# Altium PCB PowerBoard.PcbDoc (part 1 of 4) (continued)
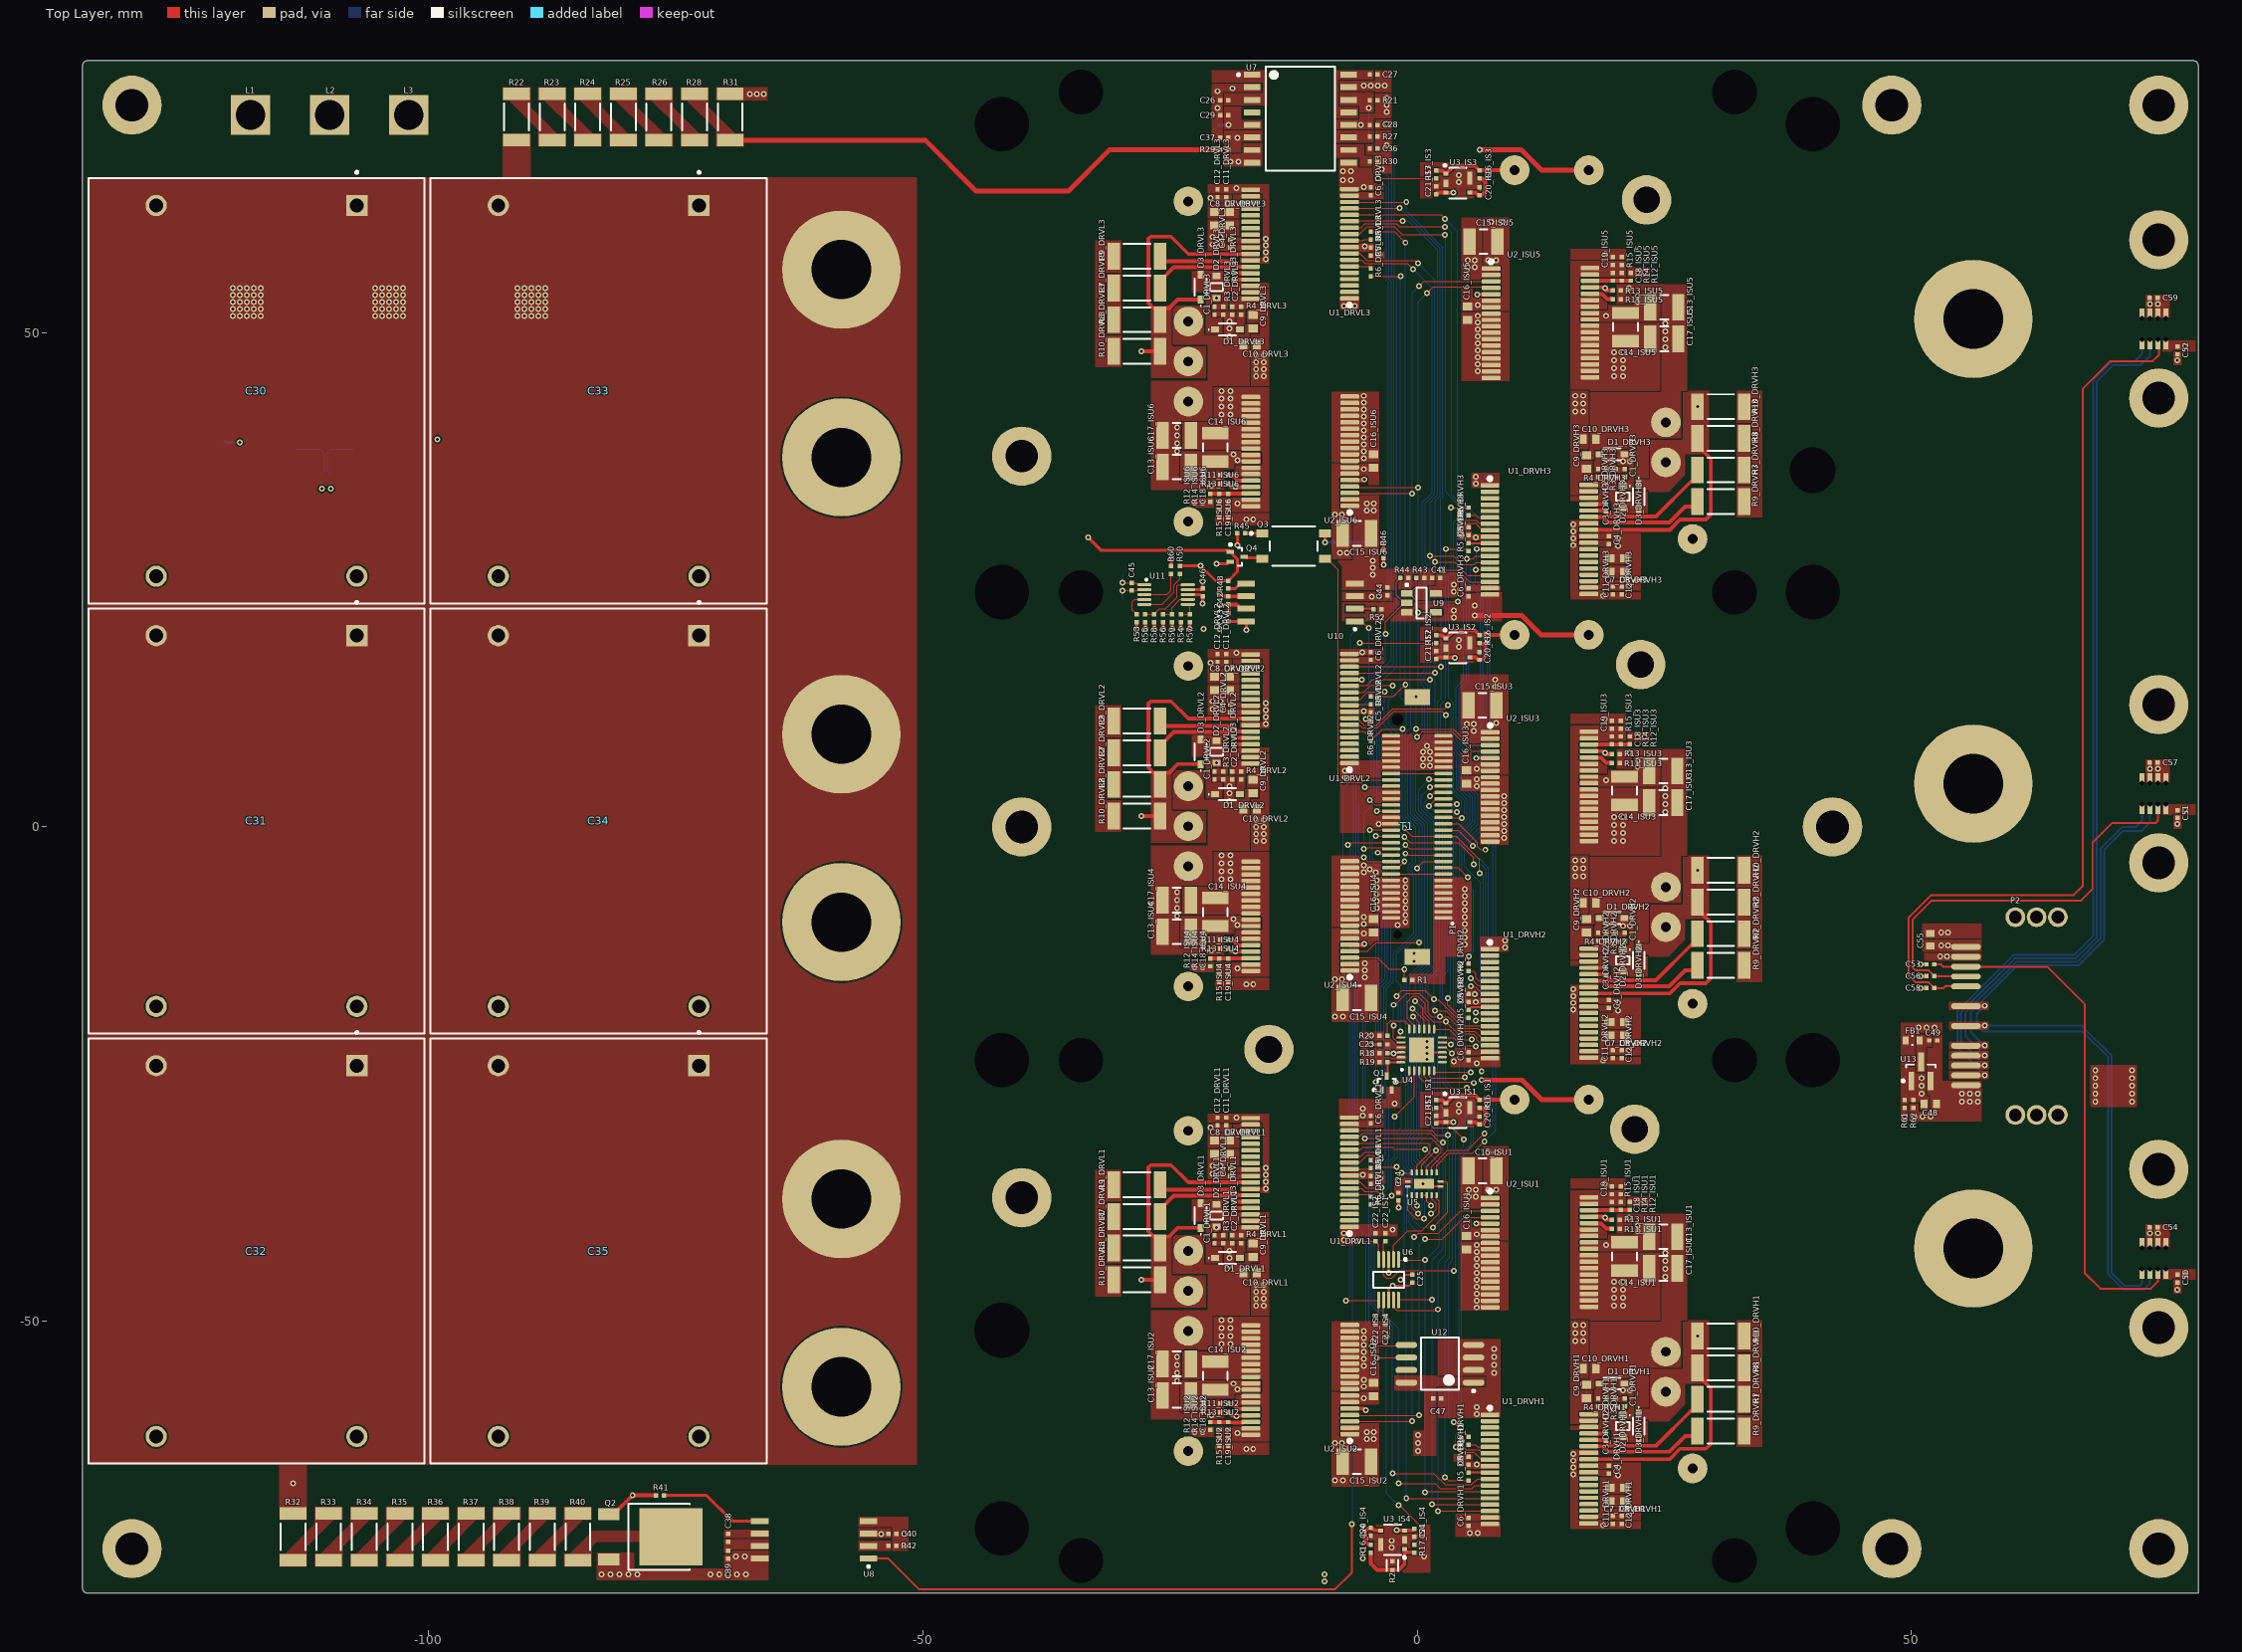
[diagram p0: Top Layer view]
## Components (designator, comment, footprint, x,y, rotation, side; value= is the part's Value field where it differs from the comment) (continued)
C52 "100nF 10% 0402 50V" 0402N 76.9,48.2 r90 top
C53 "10nF 10% 0402 50V" 0402N 51.9,-13.9 r0 top
C54 "220nF 10% 0402 50V" 0402N 74.5,-40.5 r0 top
C55 "4.7uF 10% 0603 10V" 0603L 51.9,-11.4 r270 top
C56 "10nF 10% 0402 50V" 0402N 51.9,-15.1 r0 top
C57 "220nF 10% 0402 50V" 0402N 74.5,6.5 r0 top
C58 "10nF 10% 0402 50V" 0402N 51.9,-16.3 r0 top
C59 "220nF 10% 0402 50V" 0402N 74.5,53.5 r0 top
CENA "Testpoint" Testpoint-Footprint-1 4.1,22.8 r180 bottom
CPG "Testpoint" Testpoint-Footprint-1 -1.3,-14.4 r180 bottom
D1_DRVH1 "BAS3010A03WE6327HTSA1" INF-SOD323_V 19.7,-56.3 r270 top (schematic designator D1)
D1_DRVH2 "BAS3010A03WE6327HTSA1" INF-SOD323_V 19.7,-9.2 r270 top (schematic designator D1)
D1_DRVH3 "BAS3010A03WE6327HTSA1" INF-SOD323_V 19.7,37.7 r270 top (schematic designator D1)
D1_DRVL1 "BAS3010A03WE6327HTSA1" INF-SOD323_V -19.2,-43.6 r90 top (schematic designator D1)
D1_DRVL2 "BAS3010A03WE6327HTSA1" INF-SOD323_V -19.2,3.3 r90 top (schematic designator D1)
D1_DRVL3 "BAS3010A03WE6327HTSA1" INF-SOD323_V -19.2,50.3 r90 top (schematic designator D1)
D2_DRVH1 "SZMM3Z6V2ST1G" ONSC-SOD-323-2-477-02_V 20.8,-60.6 r270 top (schematic designator D2)
D2_DRVH2 "SZMM3Z6V2ST1G" ONSC-SOD-323-2-477-02_V 20.8,-13.5 r270 top (schematic designator D2)
D2_DRVH3 "SZMM3Z6V2ST1G" ONSC-SOD-323-2-477-02_V 20.8,33.4 r270 top (schematic designator D2)
D2_DRVL1 "SZMM3Z6V2ST1G" ONSC-SOD-323-2-477-02_V -20.3,-39.3 r90 top (schematic designator D2)
D2_DRVL2 "SZMM3Z6V2ST1G" ONSC-SOD-323-2-477-02_V -20.3,7.6 r90 top (schematic designator D2)
D2_DRVL3 "SZMM3Z6V2ST1G" ONSC-SOD-323-2-477-02_V -20.3,54.6 r90 top (schematic designator D2)
D3_DRVH1 "BAS3010A03WE6327HTSA1" INF-SOD323_V 22.4,-60.6 r0 top (schematic designator D3)
D3_DRVH2 "BAS3010A03WE6327HTSA1" INF-SOD323_V 22.4,-13.5 r0 top (schematic designator D3)
D3_DRVH3 "BAS3010A03WE6327HTSA1" INF-SOD323_V 22.4,33.4 r0 top (schematic designator D3)
D3_DRVL1 "BAS3010A03WE6327HTSA1" INF-SOD323_V -21.9,-39.3 r180 top (schematic designator D3)
D3_DRVL2 "BAS3010A03WE6327HTSA1" INF-SOD323_V -21.9,7.6 r180 top (schematic designator D3)
D3_DRVL3 "BAS3010A03WE6327HTSA1" INF-SOD323_V -21.9,54.6 r180 top (schematic designator D3)
D4 "FFSD10120A" FP-369AS-MFG -118.4,50.8 r180 bottom
D5 "FFSD10120A" FP-369AS-MFG -104,50.8 r180 bottom
D6 "FFSD10120A" FP-369AS-MFG -89.6,50.8 r180 bottom
D7 "FFSD10120A" FP-369AS-MFG -125.6,50.8 r180 bottom
D8 "FFSD10120A" FP-369AS-MFG -111.2,50.8 r180 bottom
D9 "FFSD10120A" FP-369AS-MFG -96.8,50.813 r180 bottom
DCN "Testpoint" Testpoint-Footprint-1 -68,-73.8 r180 bottom
DCP "Testpoint" Testpoint-Footprint-1 -113.7,-66.4 r180 bottom
FB1 "MMZ1608B221CTDH5" FP-MMZ1608-0_6-MFG 50.1,-21.6 r0 top
FBGT "Testpoint" Testpoint-Footprint-1 -79.36,-67.6 r180 bottom
FBON "Testpoint" Testpoint-Footprint-1 -6.6,-70.5 r90 bottom
GND1 "Testpoint" Testpoint-Footprint-1 6.3,68.5 r180 bottom
GND2 "Testpoint" Testpoint-Footprint-1 -5.35,35.145 r180 bottom
GND3 "Testpoint" Testpoint-Footprint-1 1.3,7.6 r180 bottom
GND4 "Testpoint" Testpoint-Footprint-1 6.5,-24.7 r180 bottom
GND5 "Testpoint" Testpoint-Footprint-1 -5.4,-51 r180 bottom
GND6 "Testpoint" Testpoint-Footprint-1 0.7,-73.8 r180 bottom
HGAT_HBU "Testpoint" Testpoint-Footprint-1 28.35,-51.5 r90 bottom (schematic designator HGAT)
HGAT_HBV "Testpoint" Testpoint-Footprint-1 28.35,-4.4 r90 bottom (schematic designator HGAT)
HGAT_HBW "Testpoint" Testpoint-Footprint-1 28.35,42.5 r90 bottom (schematic designator HGAT)
HLDO "Testpoint" Testpoint-Footprint-1 -20.1,71 r180 bottom
HVMS "Testpoint" Testpoint-Footprint-1 -18.2,69.7 r180 bottom
ICM_ISU1 "Testpoint" Testpoint-Footprint-1 20.3,-65.6 r90 bottom (schematic designator ICM)
ICM_ISU2 "Testpoint" Testpoint-Footprint-1 -20.7,-34.3 r90 bottom (schematic designator ICM)
ICM_ISU3 "Testpoint" Testpoint-Footprint-1 20.3,-18.6 r90 bottom (schematic designator ICM)
ICM_ISU4 "Testpoint" Testpoint-Footprint-1 -20.7,12.7 r90 bottom (schematic designator ICM)
ICM_ISU5 "Testpoint" Testpoint-Footprint-1 20.3,28.4 r90 bottom (schematic designator ICM)
ICM_ISU6 "Testpoint" Testpoint-Footprint-1 -20.7,59.7 r90 bottom (schematic designator ICM)
IVD_ISU1 "Testpoint" Testpoint-Footprint-1 23,-37.9 r90 bottom (schematic designator IVD)
IVD_ISU2 "Testpoint" Testpoint-Footprint-1 -16.3,-46.3 r90 bottom (schematic designator IVD)
IVD_ISU3 "Testpoint" Testpoint-Footprint-1 23,9.1 r90 bottom (schematic designator IVD)
IVD_ISU4 "Testpoint" Testpoint-Footprint-1 -16.3,0.7 r90 bottom (schematic designator IVD)
IVD_ISU5 "Testpoint" Testpoint-Footprint-1 23,56.1 r90 bottom (schematic designator IVD)
IVD_ISU6 "Testpoint" Testpoint-Footprint-1 -16.3,47.7 r90 bottom (schematic designator IVD)
IVE_ISU1 "Testpoint" Testpoint-Footprint-1 15.8,-65.5 r90 bottom (schematic designator IVE)
IVE_ISU2 "Testpoint" Testpoint-Footprint-1 -19.8,-52.3 r90 bottom (schematic designator IVE)
IVE_ISU3 "Testpoint" Testpoint-Footprint-1 15.8,-18.5 r90 bottom (schematic designator IVE)
IVE_ISU4 "Testpoint" Testpoint-Footprint-1 -19.8,-5.3 r90 bottom (schematic designator IVE)
IVE_ISU5 "Testpoint" Testpoint-Footprint-1 15.8,28.5 r90 bottom (schematic designator IVE)
IVE_ISU6 "Testpoint" Testpoint-Footprint-1 -19.8,41.7 r90 bottom (schematic designator IVE)
L1 "Pad" Pad-Footprint-2 -118,72 r0 top
L2 "Pad" Pad-Footprint-2 -110,72 r0 top
L3 "Pad" Pad-Footprint-2 -102,72 r0 top
LGAT_HBU "Testpoint" Testpoint-Footprint-1 -27.9,-45.8 r90 bottom (schematic designator LGAT)
LGAT_HBV "Testpoint" Testpoint-Footprint-1 -27.9,1.1 r90 bottom (schematic designator LGAT)
LGAT_HBW "Testpoint" Testpoint-Footprint-1 -27.9,48.1 r90 bottom (schematic designator LGAT)
P1 "MA01R060VABBR600" MA01F060VABBR300-Footprint-1 0,0 r270 top locked
P2 "ZE05-12DP-2H" ZE05-12DP-2H-Footprint-1 57,-19.13 r90 top locked
PHS_HBU "Testpoint" Testpoint-Footprint-1 25.1,-45.5 r90 bottom (schematic designator PHS)
PHS_HBV "Testpoint" Testpoint-Footprint-1 25.1,1.5 r90 bottom (schematic designator PHS)
PHS_HBW "Testpoint" Testpoint-Footprint-1 25.1,48.5 r90 bottom (schematic designator PHS)
PUH "Testpoint" Testpoint-Footprint-1 -1.9,-66.4 r180 bottom
PUL "Testpoint" Testpoint-Footprint-1 -4,-29.3 r180 bottom
PVH "Testpoint" Testpoint-Footprint-1 5.7,-3.8 r180 bottom
PVL "Testpoint" Testpoint-Footprint-1 -2.5,14.3 r180 bottom
PWH "Testpoint" Testpoint-Footprint-1 5,27.1 r180 bottom
PWL "Testpoint" Testpoint-Footprint-1 6.9,-2.3 r180 bottom
Q1 "NX3008NBKT,115" NXP-SOT416_B_L -3.1,-25.9 r90 top
Q2 "IPD80R2K7C3AATMA1" FP-PG-TO252-3-MFG -76.7,-71.8 r270 top
Q3 "TLX9185A(GBTPL,F" FP-11-4M1S-MFG -12.5,28.4 r0 top
Q4 "NX3008NBKT,115" NXP-SOT416_B_L -18.2,27.3 r0 top
Q5 "IPD80R2K7C3AATMA1" FP-PG-TO252-3-MFG -118.3,33.9 r0 bottom
R1 "10kΩ 1% 0402" 0402N -0.9,-15.5 r180 top
R2 "ERT-J0EG103FA" FP-ERTJ0-MFG -2.5,-74.7 r90 top
R3_DRVH1 "10kΩ 1% 0402" 0402N 20.1,-58.2 r270 top (schematic designator R3)
R3_DRVH2 "10kΩ 1% 0402" 0402N 20.1,-11.1 r270 top (schematic designator R3)
R3_DRVH3 "10kΩ 1% 0402" 0402N 20.1,35.8 r270 top (schematic designator R3)
R3_DRVL1 "10kΩ 1% 0402" 0402N -19.6,-41.7 r90 top (schematic designator R3)
R3_DRVL2 "10kΩ 1% 0402" 0402N -19.6,5.2 r90 top (schematic designator R3)
R3_DRVL3 "10kΩ 1% 0402" 0402N -19.6,52.2 r90 top (schematic designator R3)
R4_DRVH1 "10kΩ 1% 0402" 0402N 18.3,-58.2 r270 top (schematic designator R4)
R4_DRVH2 "10kΩ 1% 0402" 0402N 18.3,-11.1 r270 top (schematic designator R4)
R4_DRVH3 "10kΩ 1% 0402" 0402N 18.3,35.8 r270 top (schematic designator R4)
R4_DRVL1 "10kΩ 1% 0402" 0402N -17.8,-41.7 r90 top (schematic designator R4)
R4_DRVL2 "10kΩ 1% 0402" 0402N -17.8,5.2 r90 top (schematic designator R4)
R4_DRVL3 "10kΩ 1% 0402" 0402N -17.8,52.2 r90 top (schematic designator R4)
R5_DRVH1 "0Ω 1% 0402" 0402N 5.2,-65.7 r90 top (schematic designator R5)
R5_DRVH2 "0Ω 1% 0402" 0402N 5.2,-18.9 r90 top (schematic designator R5)
R5_DRVH3 "0Ω 1% 0402" 0402N 5.2,28.3 r90 top (schematic designator R5)
R5_DRVL1 "0Ω 1% 0402" 0402N -4.7,-34.1 r270 top (schematic designator R5)
R5_DRVL2 "0Ω 1% 0402" 0402N -4.7,12.8 r270 top (schematic designator R5)
R5_DRVL3 "0Ω 1% 0402" 0402N -4.7,59.8 r270 top (schematic designator R5)
R6_DRVH1 "0Ω 1% 0402" 0402N 5.2,-62.1 r270 top (schematic designator R6)
R6_DRVH2 "0Ω 1% 0402" 0402N 5.2,-14.2 r270 top (schematic designator R6)
R6_DRVH3 "0Ω 1% 0402" 0402N 5.2,31.9 r270 top (schematic designator R6)
R6_DRVL1 "0Ω 1% 0402" 0402N -4.7,-37.8 r90 top (schematic designator R6)
R6_DRVL2 "0Ω 1% 0402" 0402N -4.7,9.1 r90 top (schematic designator R6)
R6_DRVL3 "0Ω 1% 0402" 0402N -4.7,56.1 r90 top (schematic designator R6)
R7_DRVH1 "1Ω 1% 2010" 2010N 30.7,-57.9 r0 top (schematic designator R7)
R7_DRVH2 "1Ω 1% 2010" 2010N 30.7,-10.8 r0 top (schematic designator R7)
R7_DRVH3 "1Ω 1% 2010" 2010N 30.7,36.1 r0 top (schematic designator R7)
R7_DRVL1 "1Ω 1% 2010" 2010N -28.35,-39.4 r180 top (schematic designator R7)
R7_DRVL2 "1Ω 1% 2010" 2010N -28.35,7.5 r180 top (schematic designator R7)
R7_DRVL3 "1Ω 1% 2010" 2010N -28.35,54.5 r180 top (schematic designator R7)
R8_DRVH1 "1Ω 1% 2010" 2010N 30.7,-54.7 r180 top (schematic designator R8)
R8_DRVH2 "1Ω 1% 2010" 2010N 30.7,-7.6 r180 top (schematic designator R8)
R8_DRVH3 "1Ω 1% 2010" 2010N 30.7,39.3 r180 top (schematic designator R8)
R8_DRVL1 "1Ω 1% 2010" 2010N -28.35,-42.6 r0 top (schematic designator R8)
R8_DRVL2 "1Ω 1% 2010" 2010N -28.35,4.3 r0 top (schematic designator R8)
R8_DRVL3 "1Ω 1% 2010" 2010N -28.35,51.3 r0 top (schematic designator R8)
R9_DRVH1 "1Ω 1% 2010" 2010N 30.7,-61.1 r0 top (schematic designator R9)
R9_DRVH2 "1Ω 1% 2010" 2010N 30.7,-14 r0 top (schematic designator R9)
R9_DRVH3 "1Ω 1% 2010" 2010N 30.7,32.9 r0 top (schematic designator R9)
R9_DRVL1 "1Ω 1% 2010" 2010N -28.35,-36.2 r180 top (schematic designator R9)
R9_DRVL2 "1Ω 1% 2010" 2010N -28.35,10.7 r180 top (schematic designator R9)
R9_DRVL3 "1Ω 1% 2010" 2010N -28.35,57.7 r180 top (schematic designator R9)
R10_DRVH1 "1Ω 1% 2010" 2010N 30.7,-51.5 r180 top (schematic designator R10)
R10_DRVH2 "1Ω 1% 2010" 2010N 30.7,-4.4 r180 top (schematic designator R10)
R10_DRVH3 "1Ω 1% 2010" 2010N 30.7,42.5 r180 top (schematic designator R10)
R10_DRVL1 "1Ω 1% 2010" 2010N -28.35,-45.8 r0 top (schematic designator R10)
R10_DRVL2 "1Ω 1% 2010" 2010N -28.35,1.1 r0 top (schematic designator R10)
R10_DRVL3 "1Ω 1% 2010" 2010N -28.35,48.1 r0 top (schematic designator R10)
R11_ISU1 "10kΩ 1% 0402" 0402N 20.075,-40.65 r180 top (schematic designator R11)
R11_ISU2 "10kΩ 1% 0402" 0402N -19.525,-58.3 r0 top (schematic designator R11)
R11_ISU3 "10kΩ 1% 0402" 0402N 20.075,6.45 r180 top (schematic designator R11)
R11_ISU4 "10kΩ 1% 0402" 0402N -19.525,-11.4 r0 top (schematic designator R11)
R11_ISU5 "10kΩ 1% 0402" 0402N 20.175,53.35 r180 top (schematic designator R11)
R11_ISU6 "10kΩ 1% 0402" 0402N -19.525,35.6 r0 top (schematic designator R11)
R12_ISU1 "10kΩ 1% 0402" 0402N 21.475,-38.35 r270 top (schematic designator R12)
R12_ISU2 "10kΩ 1% 0402" 0402N -20.925,-60.6 r90 top (schematic designator R12)
R12_ISU3 "10kΩ 1% 0402" 0402N 21.475,8.75 r270 top (schematic designator R12)
R12_ISU4 "10kΩ 1% 0402" 0402N -20.925,-13.7 r90 top (schematic designator R12)
R12_ISU5 "10kΩ 1% 0402" 0402N 21.575,55.65 r270 top (schematic designator R12)
R12_ISU6 "10kΩ 1% 0402" 0402N -20.925,33.3 r90 top (schematic designator R12)
R13_ISU1 "10kΩ 1% 0402" 0402N 20.075,-39.75 r180 top (schematic designator R13)
R13_ISU2 "10kΩ 1% 0402" 0402N -19.525,-59.2 r0 top (schematic designator R13)
R13_ISU3 "10kΩ 1% 0402" 0402N 20.075,7.35 r180 top (schematic designator R13)
R13_ISU4 "10kΩ 1% 0402" 0402N -19.525,-12.3 r0 top (schematic designator R13)
R13_ISU5 "10kΩ 1% 0402" 0402N 20.175,54.25 r180 top (schematic designator R13)
R13_ISU6 "10kΩ 1% 0402" 0402N -19.525,34.7 r0 top (schematic designator R13)
R14_ISU1 "10kΩ 1% 0402" 0402N 20.575,-38.35 r270 top (schematic designator R14)
R14_ISU2 "10kΩ 1% 0402" 0402N -20.025,-60.6 r90 top (schematic designator R14)
R14_ISU3 "10kΩ 1% 0402" 0402N 20.575,8.75 r270 top (schematic designator R14)
R14_ISU4 "10kΩ 1% 0402" 0402N -20.025,-13.7 r90 top (schematic designator R14)
R14_ISU5 "10kΩ 1% 0402" 0402N 20.675,55.65 r270 top (schematic designator R14)
R14_ISU6 "10kΩ 1% 0402" 0402N -20.025,33.3 r90 top (schematic designator R14)
R15_ISU1 "10kΩ 1% 0402" 0402N 20.575,-36.75 r90 top (schematic designator R15)
R15_ISU2 "10kΩ 1% 0402" 0402N -20.025,-62.2 r270 top (schematic designator R15)
R15_ISU3 "10kΩ 1% 0402" 0402N 20.575,10.35 r90 top (schematic designator R15)
R15_ISU4 "10kΩ 1% 0402" 0402N -20.025,-15.3 r270 top (schematic designator R15)
R15_ISU5 "10kΩ 1% 0402" 0402N 20.675,57.25 r90 top (schematic designator R15)
R15_ISU6 "10kΩ 1% 0402" 0402N -20.025,31.7 r270 top (schematic designator R15)
R16_IS1 "10kΩ 1% 0402" 0402N 6.3,-28 r90 top (schematic designator R16)
R16_IS2 "10kΩ 1% 0402" 0402N 6.3,19 r90 top (schematic designator R16)
R16_IS3 "10kΩ 1% 0402" 0402N 6.3,66 r90 top (schematic designator R16)
R16_IS4 "10kΩ 1% 0402" 0402N -4.7,-73 r270 top (schematic designator R16)
R17_IS1 "10kΩ 1% 0402" 0402N 1.9,-28 r270 top (schematic designator R17)
R17_IS2 "10kΩ 1% 0402" 0402N 1.9,19 r270 top (schematic designator R17)
R17_IS3 "10kΩ 1% 0402" 0402N 1.9,66 r270 top (schematic designator R17)
R17_IS4 "10kΩ 1% 0402" 0402N -0.3,-73 r90 top (schematic designator R17)
R18 "10kΩ 1% 0402" 0402N -3.4,-22.9 r180 top
R19 "10kΩ 1% 0402" 0402N -3.4,-23.8 r180 top
R20 "10kΩ 1% 0402" 0402N -3.4,-21.1 r180 top
R21 "10kΩ 1% 0402" 0402N -4.4,73.5 r0 top
R22 "1Ω 1% 2010" 2010N -91.1,71.8 r270 top
R23 "1Ω 1% 2010" 2010N -87.5,71.8 r90 top
R24 "1Ω 1% 2010" 2010N -83.9,71.8 r270 top
R25 "1Ω 1% 2010" 2010N -80.3,71.8 r90 top
R26 "1Ω 1% 2010" 2010N -76.7,71.8 r270 top
R27 "10kΩ 1% 0402" 0402N -4.4,69.8 r180 top
R28 "1Ω 1% 2010" 2010N -73.1,71.8 r90 top
R29 "10kΩ 1% 0402" 0402N -19.5,68.5 r180 top
R30 "10kΩ 1% 0402" 0402N -4.4,67.3 r180 top
R31 "1Ω 1% 2010" 2010N -69.5,71.8 r270 top
R32 "1Ω 1% 2010" 2010N -113.7,-71.8 r90 top
R33 "1Ω 1% 2010" 2010N -110.1,-71.8 r270 top
R34 "1Ω 1% 2010" 2010N -106.5,-71.8 r90 top
R35 "1Ω 1% 2010" 2010N -102.9,-71.8 r270 top
R36 "1Ω 1% 2010" 2010N -99.3,-71.8 r90 top
R37 "1Ω 1% 2010" 2010N -95.7,-71.8 r270 top
R38 "1Ω 1% 2010" 2010N -92.1,-71.8 r90 top
R39 "1Ω 1% 2010" 2010N -88.5,-71.8 r270 top
R40 "1Ω 1% 2010" 2010N -84.9,-71.8 r90 top
R41 "1kΩ 1% 0402" 0402N -76.6,-67.6 r0 top
R42 "10kΩ 1% 0402" 0402N -53.1,-72.7 r180 top
R43 "10kΩ 1% 0402" 0402N 0.3,25.2 r0 top
R44 "10kΩ 1% 0402" 0402N -1.3,25.2 r0 top
R45 "1kΩ 1% 0402" 0402N -17.8,29.7 r0 top
R46 "1kΩ 1% 0402" 0402N -3.4,27.6 r90 top
R47 "1Ω 1% 2512" 2512L -110.5,38.2 r0 bottom
R48 "10kΩ 1% 0402" 0402N -19.1,24.5 r270 top
R49 "100Ω 1% 0402" 0402N -109.9,35.3 r90 bottom
R50 "100Ω 1% 0402" 0402N -24,26 r90 top
R51 "100Ω 1% 0402" 0402N -110.8,35.3 r90 bottom
R52 "10kΩ 1% 0402" 0402N -4,22 r180 top
R53 "10kΩ 1% 0402" 0402N -28.4,21.1 r90 top
R54 "10kΩ 1% 0402" 0402N -23.9,21.1 r270 top
R55 "10kΩ 1% 0402" 0402N -27.5,21.1 r270 top
R56 "10kΩ 1% 0402" 0402N -25.7,21.1 r270 top
R57 "10kΩ 1% 0402" 0402N -23,21.1 r90 top
R58 "10kΩ 1% 0402" 0402N -26.6,21.1 r90 top
R59 "10kΩ 1% 0402" 0402N -24.8,21.1 r90 top
R60 "10kΩ 1% 0402" 0402N -24.9,26 r90 top
R61 "10kΩ 1% 0402" 0402N 49.3,-28 r90 top
R62 "10kΩ 1% 0402" 0402N 50.2,-28 r270 top
RFCN "Testpoint" Testpoint-Footprint-1 -29.8,23 r90 bottom
RFCP "Testpoint" Testpoint-Footprint-1 -29.8,25.6 r90 bottom
RFON "Testpoint" Testpoint-Footprint-1 -4.9,20.1 r90 bottom
RFRG "Testpoint" Testpoint-Footprint-1 -21.9,26.4 r90 bottom
RFVH "Testpoint" Testpoint-Footprint-1 -20,23.6 r90 bottom
RFVM "Testpoint" Testpoint-Footprint-1 -21.6,20 r90 bottom
RFVS "Testpoint" Testpoint-Footprint-1 -20,20 r90 bottom
RL1 "Testpoint" Testpoint-Footprint-1 -117.9,68.1 r90 bottom
RL2 "Testpoint" Testpoint-Footprint-1 -109.9,68.1 r90 bottom
RL3 "Testpoint" Testpoint-Footprint-1 -101.9,68.1 r90 bottom
T1 "FS05MR12A6MA1B" FS05MR12A6MA1B-Footprint-1 -42,-50.93 r90 top locked
TMPA_IS1 "Testpoint" Testpoint-Footprint-1 4.7,-31.6 r90 bottom (schematic designator TMPA)
TMPA_IS2 "Testpoint" Testpoint-Footprint-1 -5.8,18.6 r90 bottom (schematic designator TMPA)
TMPA_IS3 "Testpoint" Testpoint-Footprint-1 -4,65.6 r90 bottom (schematic designator TMPA)
TMPA_IS4 "Testpoint" Testpoint-Footprint-1 -1.9,-68.6 r90 bottom (schematic designator TMPA)
U1_DRVH1 "PUCC5871QDWJRQ1" PUCC5871QDWJRQ1-Footprint-1 12.35,-64.975 r0 top (schematic designator U1)
U1_DRVH2 "PUCC5871QDWJRQ1" PUCC5871QDWJRQ1-Footprint-1 12.35,-17.875 r0 top (schematic designator U1)
U1_DRVH3 "PUCC5871QDWJRQ1" PUCC5871QDWJRQ1-Footprint-1 12.35,29.025 r0 top (schematic designator U1)
U1_DRVL1 "PUCC5871QDWJRQ1" PUCC5871QDWJRQ1-Footprint-1 -11.85,-34.925 r180 top (schematic designator U1)
U1_DRVL2 "PUCC5871QDWJRQ1" PUCC5871QDWJRQ1-Footprint-1 -11.85,11.975 r180 top (schematic designator U1)
U1_DRVL3 "PUCC5871QDWJRQ1" PUCC5871QDWJRQ1-Footprint-1 -11.85,58.975 r180 top (schematic designator U1)
U2_ISU1 "UCC14240QDWNRQ1" UCC14240QDWNRQ1-Footprint-1 12.375,-43.05 r0 top (schematic designator U2)
U2_ISU2 "UCC14240QDWNRQ1" UCC14240QDWNRQ1-Footprint-1 -11.825,-55.9 r180 top (schematic designator U2)
U2_ISU3 "UCC14240QDWNRQ1" UCC14240QDWNRQ1-Footprint-1 12.375,4.05 r0 top (schematic designator U2)
U2_ISU4 "UCC14240QDWNRQ1" UCC14240QDWNRQ1-Footprint-1 -11.825,-9 r180 top (schematic designator U2)
U2_ISU5 "UCC14240QDWNRQ1" UCC14240QDWNRQ1-Footprint-1 12.475,50.95 r0 top (schematic designator U2)
U2_ISU6 "UCC14240QDWNRQ1" UCC14240QDWNRQ1-Footprint-1 -11.825,38 r180 top (schematic designator U2)
U3_IS1 "TLS105B0MBHTSA1" FP-PG-SCT595-5-MFG 4.1,-28.9 r0 top (schematic designator U3)
U3_IS2 "TLS105B0MBHTSA1" FP-PG-SCT595-5-MFG 4.1,18.1 r0 top (schematic designator U3)
U3_IS3 "TLS105B0MBHTSA1" FP-PG-SCT595-5-MFG 4.1,65.1 r0 top (schematic designator U3)
U3_IS4 "TLS105B0MBHTSA1" FP-PG-SCT595-5-MFG -2.5,-72.1 r180 top (schematic designator U3)
U4 "PCAL9714HN/Q900MP" PCAL9714HN_Q900MP-Footprint-1 0.45,-22.55 r90 top
U5 "SN74HCS138QBQBRQ1" SN74HCS138QBQBRQ1-Footprint-1 0.7,-36.1 r90 top
U6 "ADS1018IDGST" TI-DGS10_N -2.9,-45.8 r270 top
U7 "AMC3311QDWERQ1" FP-DWE0016A-MFG -11.825,71.635 r0 top
U8 "TPSI3052QDWZRQ1" TPSI3052QDWZRQ1-Footprint-1 -61,-72.1 r180 top
U9 "SN74LVC1G08DBVR" DBV0005A_M 0.425,22.65 r0 top
U10 "TPSI3052QDWZRQ1" TPSI3052QDWZRQ1-Footprint-1 -11.8,22.7 r180 top
U11 "INA300AQDGSRQ1" INA300AQDGSRQ1-Footprint-2 -25.4,23.5 r0 top
U12 "24LC1025-E/SM" SOIJ-SM8_N 2.3,-54.3 r180 top
U13 "AD1582BRTZ-REEL7" ADI-RT-3_M 50.94,-24.74 r90 top

## Footprints (in the part's own frame and the unit in brackets; to place one, negate y for a bottom-side part, rotate by r counter-clockwise, add the part's x,y. Pads: shape width x height; smd on the part's side, far side on the other; paste and mask are expansions set on the pad)
0402N [mm]
  rect 0.45x0.45 smd: 1(-0.4,0) 2(0.4,0)
  body extent -0.53,-0.27 0.53,0.28, height 0.4
0603L [mm]
  rect 0.7x0.85 smd: 1(-0.625,0) 2(0.625,0)
  body extent -0.87,-0.48 0.87,0.48, height 0.55
0603N [mm]
  rect 0.8x0.95 smd: 1(-0.675,0) 2(0.675,0)
  body extent -0.87,-0.48 0.87,0.48, height 0.55
1210N [mm]
  rect 1.25x2.7 smd: 1(-1.425,0) 2(1.425,0)
  silkscreen extent -0.4,-1.25 0.4,1.25, body extent -1.7,-1.35 1.7,1.35, height 0.7
2010N [mm]
  rect 1.25x2.7 smd: 1(-2.35,0) 2(2.35,0)
  silkscreen extent -1.35,-1.25 1.35,1.25, body extent -2.6,-1.35 2.6,1.35, height 0.71
2512L [mm]
  rect 1.05x3.25 smd: 1(-2.9,0) 2(2.9,0)
  silkscreen extent -2,-1.52 2,1.53, body extent -3.25,-1.7 3.25,1.7, height 0.75
ADI-RT-3_M [mm] "SOT23, 3-Leads, Body 2.9x1.3mm, Pitch 0.96mm, IPC Low Density"
  rect 1.9x0.6 smd: 1(-0.96,0.96) 2(-0.96,-0.96) 3(0.96,0)
  silkscreen extent -1.07,-1.5 0.7,1.92, body extent -0.7,-1.52 0.7,1.52, height 1.12
DBV0005A_M [mm] "SOT23, 5-Leads, Body 3.05x1.75mm, Pitch 0.95mm, IPC Low Density"
  rrect15% 1.2x0.65 smd: 1(-1.475,0.95) 2(-1.475,0) 3(-1.475,-0.95) 4(1.475,-0.95) 5(1.475,0.95)
  silkscreen extent -1.6,-1.55 0.5,1.95, body extent -1.42,-1.46 1.42,1.46, height 1.08
FP-11-4M1S-MFG [mm]
  rect 1.2x0.8 smd paste+0 mask+0: 1(-3.15,1.27) 3(-3.15,-1.27) 4(3.15,-1.27) 6(3.15,1.27)
  silkscreen extent -4.42,-1.97 2.4,1.97, body extent -3.5,-1.85 3.5,1.85, height 2.3
FP-369AS-MFG [mm]
  rect 1.25x2.85 smd paste+0 mask+0: 1(-2.286,-4.112) 3(2.286,-4.112)
  rect 5.55x6.5 smd paste+0 mask+0: 4(0,2.287)
  silkscreen extent -3.6,-4.22 3.36,3.94, body extent -3.27,-4.98 3.27,4.98, height 2.52
FP-C4BWP-MFG [mm]
  rect 2.15x2.15 hole 1.4 paste-2539.97 mask+0: 1(-18.75,10.15)
  round 2.15 hole 1.4 paste-2539.97 mask+0: 2(18.75,10.15) 3(-18.75,-10.15) 4(18.75,-10.15)
  silkscreen extent -22.22,-17 21.5,17, body extent -21.6,-17.1 21.6,17.1, height 0.25
FP-DWE0016A-MFG [mm]
  rect 1.65x0.6 smd paste+0 mask+0: 1(-4.875,4.445) 2(-4.875,3.175) 3(-4.875,1.905) 4(-4.875,0.635) 5(-4.875,-0.635) 6(-4.875,-1.905) 7(-4.875,-3.175) 8(-4.875,-4.445) 9(4.875,-4.445) 10(4.875,-3.175) 11(4.875,-1.905) 12(4.875,-0.635) 13(4.875,0.635) 14(4.875,1.905) 15(4.875,3.175) 16(4.875,4.445)
  silkscreen extent -6.37,-5.25 3.5,5.25, body extent -5.8,-5.5 5.8,5.5, height 0.25
FP-ERTJ0-MFG [mm]
  rect 0.45x0.45 smd paste+0 mask+0: 1(-0.45,0) 2(0.45,0)
  silkscreen extent -0.55,-0.57 0.56,0.58, body extent -0.77,-0.38 0.77,0.38, height 0.25
FP-MMZ1608-0_6-MFG [mm]
  rect 0.6x0.8 smd paste+0 mask+0: 1(-0.7,0) 2(0.7,0)
  silkscreen extent -0.03,-0.48 0.03,0.48, body extent -1.1,-0.58 1.1,0.58, height 0.25
FP-PG-SCT595-5-MFG [mm]
  rect 0.5x0.4 smd paste+0 mask+0: 1(-1.2,0.95) 3(-1.2,-0.95) 4(1.2,-0.95)
  rect 0.5x0.75 smd paste+0 mask+0: 2(-1.2,0)
  rect 0.5x1.3 smd paste+0 mask+0: 5(1.2,0.5)
  silkscreen extent -1.42,-1.55 0.85,2.02, body extent -1.55,-1.65 1.55,1.65, height 0.25
FP-PG-TO252-3-MFG [mm]
  rect 1.2x2.2 smd paste-1000 mask+0: 1(-2.28,-5.08) 3(2.28,-5.08)
  rect 5.8x6.4 smd paste-1000 mask+0: 4(0,1.22)
  silkscreen extent -3.32,-3.11 3.32,3.11, body extent -3.42,-6.28 3.42,4.52, height 0.25
FS05MR12A6MA1B-Footprint-1 [mm]
  round 3 hole 1: D1.1(-13.95,-69.85) D1.2(-12.2,-18.85) D2(20.2,-18.85) D3.1(33.05,-69.85) D3.2(34.8,-18.85) D4(67.2,-18.85) D5.1(80.05,-69.85) D5.2(81.8,-18.85) D6(114.2,-18.85) G1(-6.2,-67.15) G2(4,-18.85) G3(40.8,-67.15) G4(51,-18.85) G5(87.8,-67.15) G6(98,-18.85) S1(-2.15,-67.15) S2.1(8.05,-18.85) S2.2(-0.05,-18.85) S3(44.85,-67.15) S4.1(55.05,-18.85) S4.2(46.95,-18.85) S5(91.85,-67.15) S6.1(102.05,-18.85) S6.2(93.95,-18.85) T1(23.35,-51.85) T2(23.35,-59.35) T3(70.35,-51.85) T4(70.35,-59.35) T5(117.35,-51.85) T6(117.35,-59.35)
  round 0 hole 4.5 unplated: M(-23.25,-8) M(-23.25,-74.1) M(27.35,-8) M(27.35,-74.1) M(74.65,-74.1) M(74.65,-8) M(125.25,-74.1) M(125.25,-8)
  round 0 hole 5.5 unplated: M(-20,0) M(-20,-82) M(27.33,0) M(27.33,-82) M(74.67,-82) M(74.67,0) M(122,-82) M(122,0)
  round 0 hole 5.6 unplated: M(0,0)
  round 0 hole 4.6 unplated: M(87,-82)
  round 12 hole 6: N1(-5.7,16.25) N2(41.3,16.25) N3(88.3,16.25) P1(13.3,16.25) P2(60.3,16.25) P3(107.3,16.25) U(8.3,-98.25) V(55.3,-98.25) W(102.3,-98.25)
  body extent -26.32,-104.26 128.18,22.24, height 9.79
INA300AQDGSRQ1-Footprint-2 [mm]
  oval 1.45x0.3 smd mask+0.05: 1(-2.2,1) 2(-2.2,0.5) 3(-2.2,0) 4(-2.2,-0.5) 5(-2.2,-1) 6(2.2,-1) 7(2.2,-0.5) 8(2.2,0) 9(2.2,0.5) 10(2.2,1)
  silkscreen extent -2.1,1.4 -1.9,1.6, body extent -1.5,-1.5 1.5,1.5, height 1.1
INF-SOD323_V [mm] "SOD, 2-Leads, Body 1.7x1.25 mm"
  rect 0.6x0.8 smd: 1(0,1.25) 2(0,-1.25)
  silkscreen extent -0.6,-0.85 0.6,1.95, body extent -0.63,-0.85 0.63,0.85, height 1.1
MA01F060VABBR300-Footprint-1 [mm]
  round 0 hole 1.2 unplated: 0(-10.877,-2)
  round 0 hole 0.9 unplated: 0(10.877,-2)
  rrect50% 0.35x1.8 smd mask+0.05: 1(9.207,2.65) 2(8.572,2.65) 3(7.938,2.65) 4(7.302,2.65) 5(6.667,2.65) 6(6.032,2.65) 7(5.397,2.65) 8(4.762,2.65) 9(4.127,2.65) 10(3.492,2.65) 11(2.857,2.65) 12(2.222,2.65) 13(1.587,2.65) 14(0.952,2.65) 15(0.317,2.65) 16(-0.318,2.65) 17(-0.953,2.65) 18(-1.588,2.65) 19(-2.223,2.65) 20(-2.858,2.65) 21(-3.493,2.65) 22(-4.128,2.65) 23(-4.763,2.65) 24(-5.398,2.65) 25(-6.033,2.65) 26(-6.667,2.65) 27(-7.302,2.65) 28(-7.938,2.65) 29(-8.572,2.65) 30(-9.207,2.65) 31(9.207,-2.65) 32(8.572,-2.65) 33(7.938,-2.65) 34(7.302,-2.65) 35(6.667,-2.65) 36(6.033,-2.65) 37(5.398,-2.65) 38(4.763,-2.65) 39(4.128,-2.65) 40(3.493,-2.65) 41(2.858,-2.65) 42(2.223,-2.65) 43(1.588,-2.65) 44(0.953,-2.65) 45(0.318,-2.65) 46(-0.317,-2.65) 47(-0.952,-2.65) 48(-1.587,-2.65) 49(-2.222,-2.65) 50(-2.857,-2.65) 51(-3.492,-2.65) 52(-4.127,-2.65) 53(-4.762,-2.65) 54(-5.397,-2.65) 55(-6.032,-2.65) 56(-6.667,-2.65) 57(-7.302,-2.65) 58(-7.938,-2.65) 59(-8.572,-2.65) 60(-9.207,-2.65)
  rect 1.6x2.6 smd mask+0.05: M1(-13.135,0) M2(13.135,0)
  silkscreen extent 9.68,3.46 9.88,3.66, body extent -13.63,-3.41 13.63,3.41, height 6.6
NXP-SOT416_B_L [mm] "SOT23, 3-Leads, Body 1.6x0.8mm, Pitch 0.5mm, IPC High Density"
  rect 0.75x0.4 smd: 1(-0.7,0.5) 2(-0.7,-0.5) 3(0.7,0)
  silkscreen extent -0.82,-0.9 0.45,1.37, body extent -0.45,-0.9 0.45,0.9, height 0.95
ONSC-SOD-323-2-477-02_V [mm] "SOD, 2-Leads, Body 1.7x1.25mm"
  rect 0.63x0.83 smd: 1(-1.115,0) 2(1.115,0)
  silkscreen extent -1.15,-0.67 0.4,0.75, body extent -0.85,-0.63 0.85,0.63, height 1.06
Pad-Footprint-2 [mm]
  rect 4x4 hole 3: 1(0,0)
PCAL9714HN_Q900MP-Footprint-1 [mm]
  oval 0.9x0.24 smd: 1(-2.1,1.25) 2(-2.1,0.75) 3(-2.1,0.25) 4(-2.1,-0.25) 5(-2.1,-0.75) 6(-2.1,-1.25) 13(2.1,-1.25) 14(2.1,-0.75) 15(2.1,-0.25) 16(2.1,0.25) 17(2.1,0.75) 18(2.1,1.25)
  oval 0.24x0.9 smd: 7(-1.25,-2.1) 8(-0.75,-2.1) 9(-0.25,-2.1) 10(0.25,-2.1) 11(0.75,-2.1) 12(1.25,-2.1) 19(1.25,2.1) 20(0.75,2.1) 21(0.25,2.1) 22(-0.25,2.1) 23(-0.75,2.1) 24(-1.25,2.1)
  rect 2.5x2.5 smd paste-2539.97: EP(0,0)
  silkscreen extent -2.1,1.9 -1.9,2.1, body extent -2,-2 2,2, height 1
PUCC5871QDWJRQ1-Footprint-1 [mm]
  rrect50% 1.9x0.45 smd mask+0.05: 1(-5,5.525) 2(-5,4.875) 3(-5,4.225) 4(-5,3.575) 5(-5,2.925) 6(-5,2.275) 7(-5,1.625) 8(-5,0.975) 9(-5,0.325) 10(-5,-0.325) 11(-5,-0.975) 12(-5,-1.625) 13(-5,-2.275) 14(-5,-2.925) 15(-5,-3.575) 16(-5,-4.225) 17(-5,-4.875) 18(-5,-5.525) 19(5,-5.475) 20(5,-4.825) 21(5,-4.175) 22(5,-3.525) 23(5,-2.875) 24(5,-2.225) 25(5,-1.575) 26(5,-0.925) 27(5,-0.275) 28(5,0.375) 29(5,1.025) 30(5,1.675) 31(5,2.325) 32(5,2.975) 33(5,3.625) 34(5,4.275) 35(5,4.925) 36(5,5.575)
  silkscreen extent -5.1,6.1 -4.9,6.3, body extent -3.8,-6.5 3.8,6.5, height 3.55
SN74HCS138QBQBRQ1-Footprint-1 [mm]
  rrect50% 0.25x0.6 smd mask+0.05: 1(-0.25,1.65) 8(-0.25,-1.65) 9(0.25,-1.65) 16(0.25,1.65)
  rrect50% 0.6x0.25 smd mask+0.05: 2(-1.15,1.25) 3(-1.15,0.75) 4(-1.15,0.25) 5(-1.15,-0.25) 6(-1.15,-0.75) 7(-1.15,-1.25) 10(1.15,-1.25) 11(1.15,-0.75) 12(1.15,-0.25) 13(1.15,0.25) 14(1.15,0.75) 15(1.15,1.25)
  rect 1x2 smd mask+0.05: 17(0,0)
  silkscreen extent -1.25,1.65 -1.15,1.75, body extent -1.2,-1.7 1.2,1.7, height 0.8
SOIJ-SM8_N [mm] "SOP, 8-Leads, Body 5.2x5.2mm, Pitch 1.27mm, IPC Medium Density"
  oval 2.2x0.6 smd: 1(-3.4,1.905) 2(-3.4,0.635) 3(-3.4,-0.635) 4(-3.4,-1.905) 5(3.4,-1.905) 6(3.4,-0.635) 7(3.4,0.635) 8(3.4,1.905)
  silkscreen extent -3.52,-2.65 1.9,2.88, body extent -2.69,-2.67 2.69,2.67, height 2.04
Testpoint-Footprint-1 [mm]
  round 1 smd: 1(0,0)
TI-DGS10_N [mm] "SOP, 10-Leads, Body 3x3mm, Pitch 0.5mm, IPC Medium Density"
  oval 1.7x0.3 smd: 1(-2.05,1) 2(-2.05,0.5) 3(-2.05,0) 4(-2.05,-0.5) 5(-2.05,-1) 6(2.05,-1) 7(2.05,-0.5) 8(2.05,0) 9(2.05,0.5) 10(2.05,1)
  silkscreen extent -2.17,-1.55 0.8,1.83, body extent -1.55,-1.55 1.55,1.55, height 1.1
"TLE4972AE35S5XUMA1 Sensor Board-Footprint-1" [mm]
  rect 0.5x1 hole 0.5 copper offset 0,0.5: 1(-1.2,1.05) 2(-0.4,1.05) 3(0.4,1.05) 4(1.2,1.05)
  rect 0.5x1 hole 0.5 copper offset 0,-0.5: 5(1.2,-1.05) 6(0.4,-1.05) 7(-0.4,-1.05) 8(-1.2,-1.05)
  body extent -3,-1.04 2.5,1.95, height 7.8
TPSI3052QDWZRQ1-Footprint-1 [mm]
  rect 1.8x0.6 smd: 1(-5.5,1.905) 2(-5.5,0.635) 3(-5.5,-0.635) 4(-5.5,-1.905) 5(5.5,-1.905) 6(5.5,-0.635) 7(5.5,0.635) 8(5.5,1.905)
  silkscreen extent -5.6,2.6 -5.4,2.8, body extent -4,-3 4,3, height 2.8
UCC14240QDWNRQ1-Footprint-1 [mm]
  rrect50% 1.9x0.45 smd mask+0.05: 1(-5,5.525) 2(-5,4.875) 3(-5,4.225) 4(-5,3.575) 5(-5,2.925) 6(-5,2.275) 7(-5,1.625) 8(-5,0.975) 9(-5,0.325) 10(-5,-0.325) 11(-5,-0.975) 12(-5,-1.625) 13(-5,-2.275) 14(-5,-2.925) 15(-5,-3.575) 16(-5,-4.225) 17(-5,-4.875) 18(-5,-5.525) 19(5,-5.475) 20(5,-4.825) 21(5,-4.175) 22(5,-3.525) 23(5,-2.875) 24(5,-2.225) 25(5,-1.575) 26(5,-0.925) 27(5,-0.275) 28(5,0.375) 29(5,1.025) 30(5,1.675) 31(5,2.325) 32(5,2.975) 33(5,3.625) 34(5,4.275) 35(5,4.925) 36(5,5.575)
  silkscreen extent -5.1,6.1 -4.9,6.3, body extent -3.8,-6.5 3.8,6.5, height 3.55
ZE05-12DP-2H-Footprint-1 [mm]
  oval 0.6x3 smd: 1(6,1.5) 2(4,1.5) 3(-4,1.5) 4(-6,1.5) 5(7,1.5) 6(5,1.5) 7(3,1.5) 8(1,1.5) 9(-1,1.5) 10(-3,1.5) 11(-5,1.5) 12(-7,1.5)
  round 2 hole 1.3: M1(-10,-3.5) M2(-10,-5.65) M3(-10,-7.8) M4(10,-3.5) M5(10,-5.65) M6(10,-7.8)
  body extent -11.26,-12.25 11.26,2.55, height 8.79